# KiCad board amp board.kicad_pcb (continued)
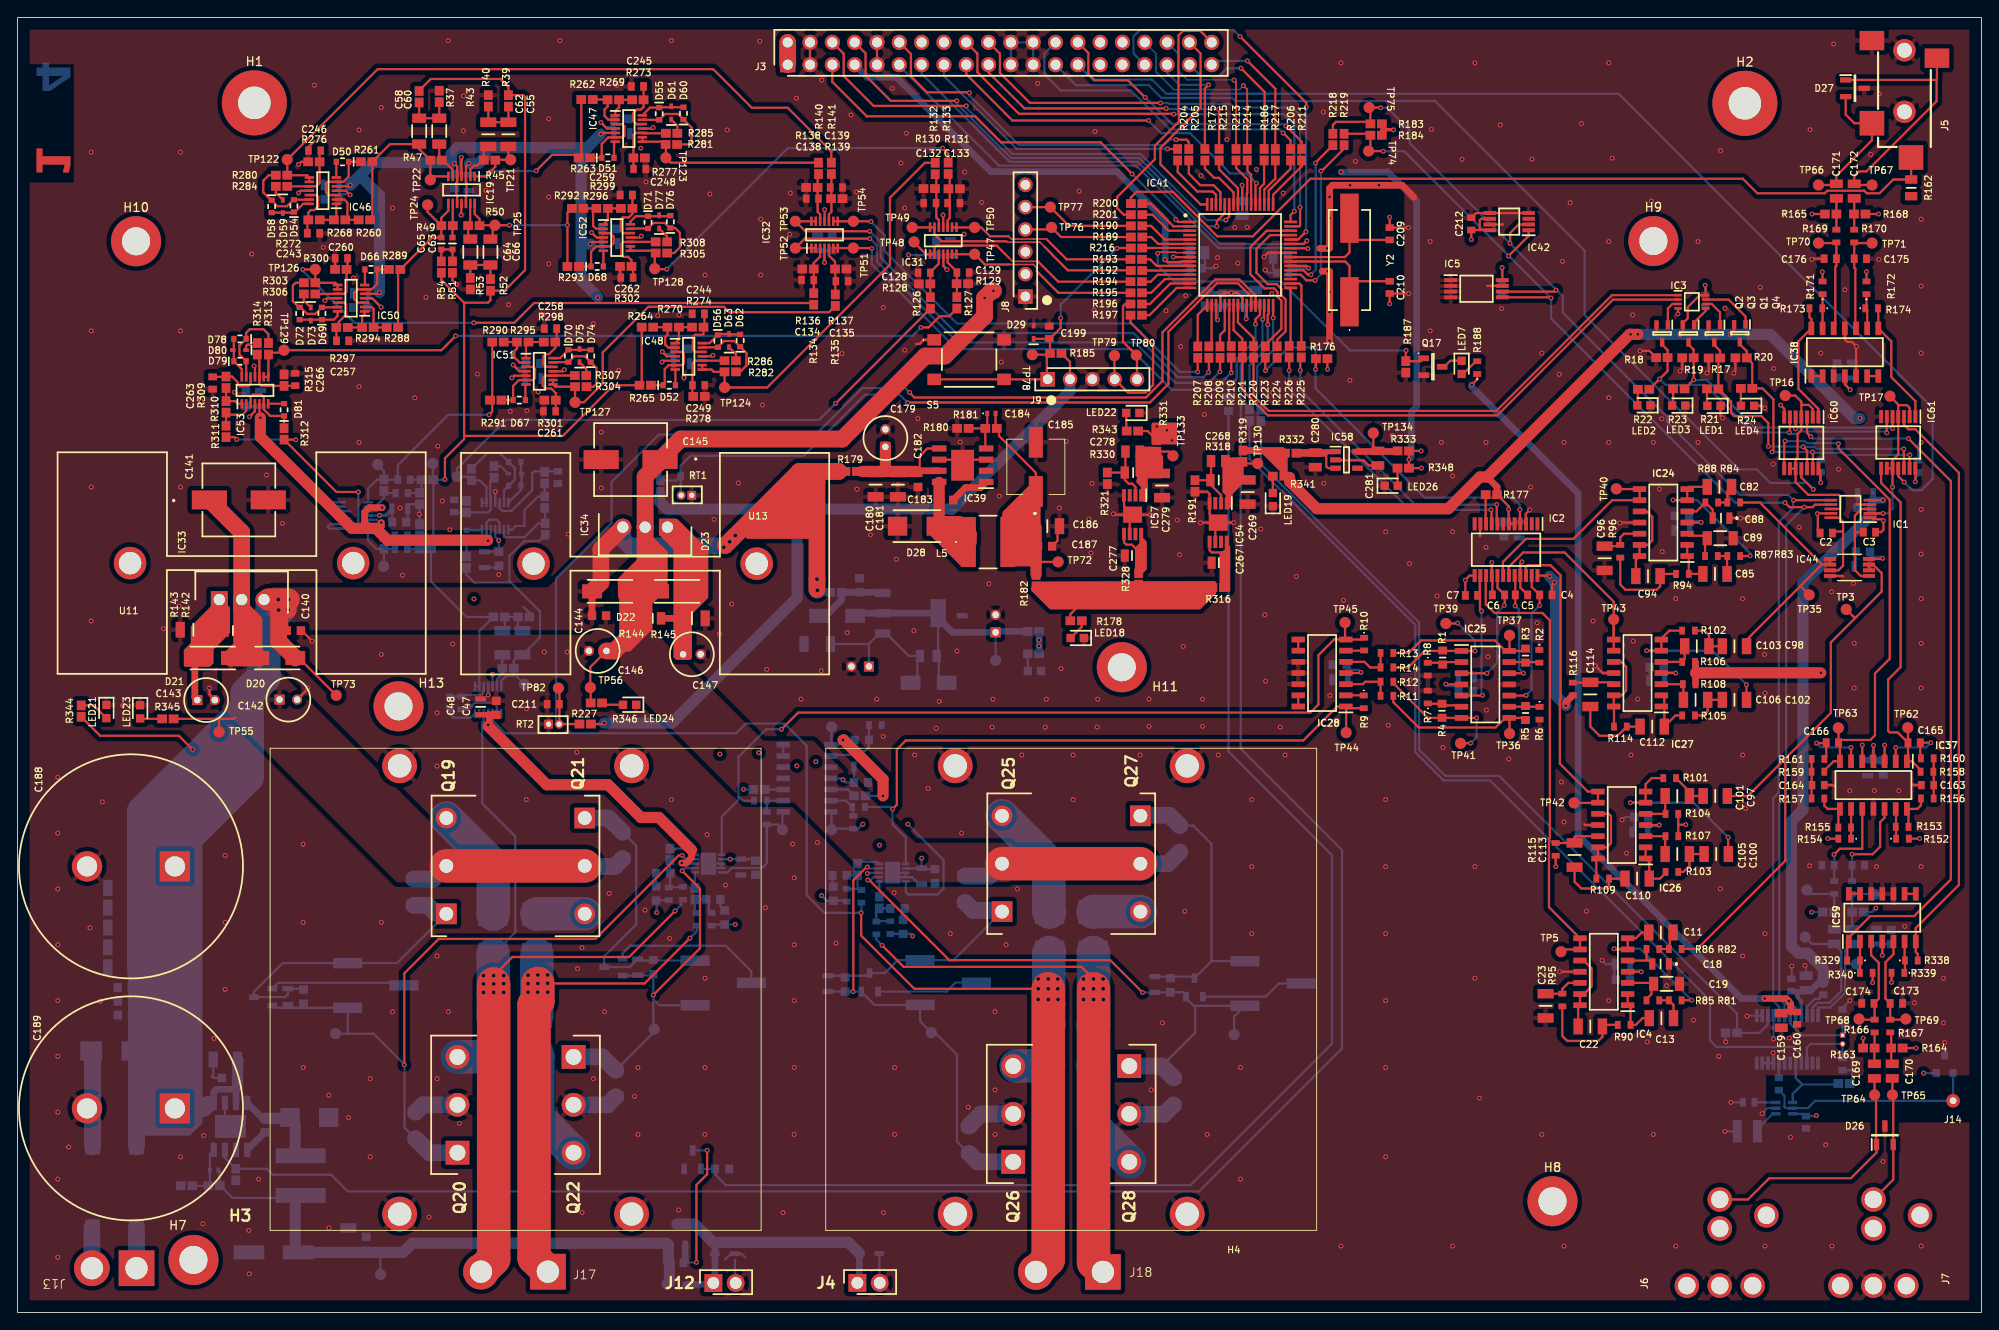
[diagram p0: board, top side]
## Footprints (pads in the part's own frame, mm; a bottom-side part is the same pattern mirrored in y, then rotated) (continued)
C0603
  rect 0.95x1 smd: 1(-0.8,0) 2(0.8,0)
CAPC1608X87N
  rect 0.78x0.98 smd: 1(-0.7,0) 2(0.7,0)
CAPC1608X90N
  rect 0.75x0.94 smd: 1(-0.7,0) 2(0.7,0)
CAPC2012X70N
  rect 0.96x1.39 smd: 1(-0.81,0) 2(0.81,0)
CAPC2012X135N
  rect 0.91x1.39 smd: 1(-0.82,0) 2(0.82,0)
CAPC2012X145N
  rect 0.97x1.47 smd: 1(-0.83,0) 2(0.83,0)
CAPC3216X180N
  rect 1.07x1.82 smd: 1(-1.38,0) 2(1.38,0)
CAPPRD200W55D500H1200
  rect 1.15x1.15 hole 0.75: 1(0,0)
  round 1.15 hole 0.75: 2(2,0)
CAPPRD200W55D500H1250
  rect 1.15x1.15 hole 0.75: 1(0,0)
  round 1.15 hole 0.75: 2(2,0)
CAPPRD1000W210D2550H4200
  rect 3.45x3.45 hole 2.3: 1(0,0)
  round 3.45 hole 2.3: 2(10,0)
D1213A01SO7
  rect 0.8x0.9 smd: 1(-0.95,-1) 2(0.95,-1) 3(0,1)
DIONM5126X230N
  rect 2.25x1.6 smd: 1(-2.05,0) 2(2.05,0)
ERA3AEB101V
  rect 0.65x0.9 smd: 1(-0.725,0) 2(0.725,0)
GCM21
  rect 0.7x1.3 smd: 1(-0.95,0) 2(0.95,0)
GCM155
  rect 0.45x0.6 smd: 1(-0.475,0) 2(0.475,0)
GRM18x
  rect 0.65x0.7 smd: 1(-0.675,0) 2(0.675,0)
GRM21x
  rect 0.6x1.25 smd: 1(-0.9,0) 2(0.9,0)
GRM31x
  rect 1.05x1.6 smd: 1(-1.475,0) 2(1.475,0)
HDRV5W64P0X254_1X5_1270X254X854P
  rect 1.65x1.65 hole 1.1: 1(0,0)
  round 1.65 hole 1.1: 2(2.54,0) 3(5.08,0) 4(7.62,0) 5(10.16,0)
HDRV6W64P0X254_1X6_1524X254X869P
  rect 1.65x1.65 hole 1.1: 1(0,0)
  round 1.65 hole 1.1: 2(2.54,0) 3(5.08,0) 4(7.62,0) 5(10.16,0) 6(12.7,0)
LEDC1608X80N
  rect 0.95x0.95 smd: 1(-0.75,0) 2(0.75,0)
LQW2UAS12NG00L
  rect 1.015x2.54 smd: 1(-1.143,0) 2(1.143,0)
LQW18AS10NG0CD
  rect 0.675x1 smd: 1(-0.662,0) 2(0.662,0)
MA30255E
  round 3.954 hole 2.667: 1(0,0) 2(51,0) 3(51,26.4) 4(0,26.4)
MountingHole_3.2mm_M3_ISO7380_Pad_TopBottom
  round 3.6 hole 3.2: 1(0,0)
  round 5.7 smd: 1(0,0)
  round 5.7 smd far side: 1(0,0)
MountingHole_3.7mm_Pad_TopBottom
  round 4.1 hole 3.7: 1(0,0)
  round 7.4 smd: 1(0,0)
  round 7.4 smd far side: 1(0,0)
NTCALUG02A103F
  rect 1x1 hole 0.605: 1(-0.6,0)
  round 1 hole 0.605: 2(0.6,0)
Phono Jack
  round 2.794 hole 1.981: 1(0,0) 2(0,-3.747) 3(9.804,0) 4(8.001,-5.309) 5(6.502,0) 6(0,3.747)
power wires
  rect 4.064x4.064 hole 2.54: 1(0,0)
  round 4.064 hole 2.54: 2(5.08,0)
power wires#2
  rect 4.064x4.064 hole 2.54: 1(0,0)
  round 4.064 hole 2.54: 2(7.62,0)
QFP50P1200X1200X120-64N
  rect 1.475x0.3 smd: 1(-5.738,3.75) 2(-5.738,3.25) 3(-5.738,2.75) 4(-5.738,2.25) 5(-5.738,1.75) 6(-5.738,1.25) 7(-5.738,0.75) 8(-5.738,0.25) 9(-5.738,-0.25) 10(-5.738,-0.75) 11(-5.738,-1.25) 12(-5.738,-1.75) 13(-5.738,-2.25) 14(-5.738,-2.75) 15(-5.738,-3.25) 16(-5.738,-3.75) 33(5.738,-3.75) 34(5.738,-3.25) 35(5.738,-2.75) 36(5.738,-2.25) 37(5.738,-1.75) 38(5.738,-1.25) 39(5.738,-0.75) 40(5.738,-0.25) 41(5.738,0.25) 42(5.738,0.75) 43(5.738,1.25) 44(5.738,1.75) 45(5.738,2.25) 46(5.738,2.75) 47(5.738,3.25) 48(5.738,3.75)
  rect 0.3x1.475 smd: 17(-3.75,-5.738) 18(-3.25,-5.738) 19(-2.75,-5.738) 20(-2.25,-5.738) 21(-1.75,-5.738) 22(-1.25,-5.738) 23(-0.75,-5.738) 24(-0.25,-5.738) 25(0.25,-5.738) 26(0.75,-5.738) 27(1.25,-5.738) 28(1.75,-5.738) 29(2.25,-5.738) 30(2.75,-5.738) 31(3.25,-5.738) 32(3.75,-5.738) 49(3.75,5.738) 50(3.25,5.738) 51(2.75,5.738) 52(2.25,5.738) 53(1.75,5.738) 54(1.25,5.738) 55(0.75,5.738) 56(0.25,5.738) 57(-0.25,5.738) 58(-0.75,5.738) 59(-1.25,5.738) 60(-1.75,5.738) 61(-2.25,5.738) 62(-2.75,5.738) 63(-3.25,5.738) 64(-3.75,5.738)
R2632768125
  rect 0.584x0.584 hole 0.381: 1(-0.152,0)
  round 0.635 hole 0.381: 2(0.838,0)
RESC1608X55N
  rect 0.9x1 smd: 1(-0.8,0) 2(0.8,0)
RESC1608X55N#2
  rect 1.1x1 smd: 1(-0.65,0) 2(0.65,0)
RESC2012X60N
  rect 0.95x1.4 smd: 1(-0.95,0) 2(0.95,0)
RESC3216X60N
  rect 1.05x1.8 smd: 1(-1.5,0) 2(1.5,0)
RESC3216X70N
  rect 1.15x1.7 smd: 1(-1.5,0) 2(1.5,0)
RESC6432X84N
  rect 2.7x3.35 smd: 1(-2.3,0) 2(2.3,0)
RHDR2W80P0X254_1X2_558X254X850P
  rect 2.025x2.025 hole 1.35: 1(0,0)
  round 2.025 hole 1.35: 2(2.54,0)
RHDR40W97P254X254_2X20_5130X508X860P
  rect 1.725x1.725 hole 1.15: 1(0,0)
  round 1.725 hole 1.15: 2(0,2.54) 3(2.54,0) 4(2.54,2.54) 5(5.08,0) 6(5.08,2.54) 7(7.62,0) 8(7.62,2.54) 9(10.16,0) 10(10.16,2.54) 11(12.7,0) 12(12.7,2.54) 13(15.24,0) 14(15.24,2.54) 15(17.78,0) 16(17.78,2.54) 17(20.32,0) 18(20.32,2.54) 19(22.86,0) 20(22.86,2.54) 21(25.4,0) 22(25.4,2.54) 23(27.94,0) 24(27.94,2.54) 25(30.48,0) 26(30.48,2.54) 27(33.02,0) 28(33.02,2.54) 29(35.56,0) 30(35.56,2.54) 31(38.1,0) 32(38.1,2.54) 33(40.64,0) 34(40.64,2.54) 35(43.18,0) 36(43.18,2.54) 37(45.72,0) 38(45.72,2.54) 39(48.26,0) 40(48.26,2.54)
SJ-3524-SMT-TR
  rect 2.2x2.8 smd: 1(2.4,-6.7) 3(4.4,0.7)
  rect 2.8x2.8 smd: 2(11.8,-6.7) 4(15.7,-2.25)
  round 2.55 hole 1.7: 5(3.5,-3) 6(10.5,-3)
SMBJ36A
  rect 2.5x2.2 smd: 1(-8.95,-2.975) 2(-4.25,-2.975)
SMBJ50CA
  rect 2.2x2.15 smd: 1(-2.2,0) 2(2.2,0)
SOD2513X117N
  rect 1.085x0.55 smd: 1(-1.14,0) 2(1.14,0)
SODFL1608X70N
  rect 0.64x0.42 smd: 1(-0.75,0) 2(0.75,0)
SOIC127P600X175-9N
  rect 1.65x0.7 smd: 1(-2.675,1.905) 2(-2.675,0.635) 3(-2.675,-0.635) 4(-2.675,-1.905) 5(2.675,-1.905) 6(2.675,-0.635) 7(2.675,0.635) 8(2.675,1.905)
  rect 2.6x3.5 smd: 9(0,0)
SOIC127P600X175-14N
  rect 1.525x0.65 smd: 1(-2.712,3.81) 2(-2.712,2.54) 3(-2.712,1.27) 4(-2.712,0) 5(-2.712,-1.27) 6(-2.712,-2.54) 7(-2.712,-3.81) 8(2.712,-3.81) 9(2.712,-2.54) 10(2.712,-1.27) 11(2.712,0) 12(2.712,1.27) 13(2.712,2.54) 14(2.712,3.81)
SON50P300X300X100-11N
  rect 0.85x0.3 smd: 1(-1.5,1) 2(-1.5,0.5) 3(-1.5,0) 4(-1.5,-0.5) 5(-1.5,-1) 6(1.5,-1) 7(1.5,-0.5) 8(1.5,0) 9(1.5,0.5) 10(1.5,1)
  rect 1.75x2.5 smd: 11(0,0)
SOP50P310X90-8N
  rect 0.85x0.3 smd: 1(-1.575,0.75) 2(-1.575,0.25) 3(-1.575,-0.25) 4(-1.575,-0.75) 5(1.575,-0.75) 6(1.575,-0.25) 7(1.575,0.25) 8(1.575,0.75)
SOP50P326X110-14N
  rect 1.075x0.3 smd: 1(-1.538,1.5) 2(-1.538,1) 3(-1.538,0.5) 4(-1.538,0) 5(-1.538,-0.5) 6(-1.538,-1) 7(-1.538,-1.5) 8(1.538,-1.5) 9(1.538,-1) 10(1.538,-0.5) 11(1.538,0) 12(1.538,0.5) 13(1.538,1) 14(1.538,1.5)
SOP50P490X110-10N
  rect 1.45x0.3 smd: 1(-2.225,1) 2(-2.225,0.5) 3(-2.225,0) 4(-2.225,-0.5) 5(-2.225,-1) 6(2.225,-1) 7(2.225,-0.5) 8(2.225,0) 9(2.225,0.5) 10(2.225,1)
SOP64P600X175-24N
  rect 1.5x0.435 smd: 1(-2.7,3.492) 2(-2.7,2.858) 3(-2.7,2.222) 4(-2.7,1.588) 5(-2.7,0.952) 6(-2.7,0.318) 7(-2.7,-0.318) 8(-2.7,-0.952) 9(-2.7,-1.588) 10(-2.7,-2.222) 11(-2.7,-2.858) 12(-2.7,-3.492) 13(2.7,-3.492) 14(2.7,-2.858) 15(2.7,-2.222) 16(2.7,-1.588) 17(2.7,-0.952) 18(2.7,-0.318) 19(2.7,0.318) 20(2.7,0.952) 21(2.7,1.588) 22(2.7,2.222) 23(2.7,2.858) 24(2.7,3.492)
SOP65P490X110-8N
  rect 1.372x0.457 smd: 1(-2.21,0.965) 2(-2.21,0.33) 3(-2.21,-0.33) 4(-2.21,-0.965) 5(2.21,-0.965) 6(2.21,-0.33) 7(2.21,0.33) 8(2.21,0.965)
SOP65P490X110-8N#2
  rect 1.425x0.45 smd: 1(-2.212,0.975) 2(-2.212,0.325) 3(-2.212,-0.325) 4(-2.212,-0.975) 5(2.212,-0.975) 6(2.212,-0.325) 7(2.212,0.325) 8(2.212,0.975)
SOP65P490X110-9N
  rect 1.4x0.45 smd: 1(-2.2,0.975) 2(-2.2,0.325) 3(-2.2,-0.325) 4(-2.2,-0.975) 5(2.2,-0.975) 6(2.2,-0.325) 7(2.2,0.325) 8(2.2,0.975)
  rect 1.846x2.15 smd: 9(0,0)
SOP65P640X120-8N
  rect 1.475x0.45 smd: 1(-2.938,0.975) 2(-2.938,0.325) 3(-2.938,-0.325) 4(-2.938,-0.975) 5(2.938,-0.975) 6(2.938,-0.325) 7(2.938,0.325) 8(2.938,0.975)
SOP65P640X120-14N
  rect 1.475x0.45 smd: 1(-2.938,1.95) 2(-2.938,1.3) 3(-2.938,0.65) 4(-2.938,0) 5(-2.938,-0.65) 6(-2.938,-1.3) 7(-2.938,-1.95) 8(2.938,-1.95) 9(2.938,-1.3) 10(2.938,-0.65) 11(2.938,0) 12(2.938,0.65) 13(2.938,1.3) 14(2.938,1.95)
SOP65P640X120-24N
  rect 1.475x0.45 smd: 1(-2.938,3.575) 2(-2.938,2.925) 3(-2.938,2.275) 4(-2.938,1.625) 5(-2.938,0.975) 6(-2.938,0.325) 7(-2.938,-0.325) 8(-2.938,-0.975) 9(-2.938,-1.625) 10(-2.938,-2.275) 11(-2.938,-2.925) 12(-2.938,-3.575) 13(2.938,-3.575) 14(2.938,-2.925) 15(2.938,-2.275) 16(2.938,-1.625) 17(2.938,-0.975) 18(2.938,-0.325) 19(2.938,0.325) 20(2.938,0.975) 21(2.938,1.625) 22(2.938,2.275) 23(2.938,2.925) 24(2.938,3.575)
SOP500P990X180-4N
  rect 1.7x1.65 smd: 1(-4.55,2.5) 2(-4.55,-2.5) 3(4.55,-2.5) 4(4.55,2.5)
SOT65P210X110-3N
  rect 1x0.5 smd: 1(-1,0.65) 2(-1,-0.65) 3(1,0)
SOT65P210X110-6N
  rect 1.05x0.4 smd: 1(-0.95,0.65) 2(-0.95,0) 3(-0.95,-0.65) 4(0.95,-0.65) 5(0.95,0) 6(0.95,0.65)
SOT95P237X120-3N
  rect 1.3x0.6 smd: 1(-1.05,0.95) 2(-1.05,-0.95) 3(1.05,0)
SOT95P280X145-5N
  rect 1.2x0.6 smd: 1(-1.25,0.95) 2(-1.25,0) 3(-1.25,-0.95) 4(1.25,-0.95) 5(1.25,0.95)
SOT96P237X111-3N
  rect 1x0.6 smd: 1(-1.2,0.955) 2(-1.2,-0.955) 3(1.2,0)
SOT96P240X110-3N
  rect 1.1x0.65 smd: 1(-1.05,0.96) 2(-1.05,-0.96) 3(1.05,0)
SOT96P240X120-3N
  rect 1.2x0.65 smd: 1(-1.05,0.96) 2(-1.05,-0.96) 3(1.05,0)
SOT230P700X180-4N
  rect 1.75x0.95 smd: 1(-3.15,2.3) 2(-3.15,0) 3(-3.15,-2.3)
  rect 1.75x3.2 smd: 4(3.15,0)
TO254P470X1028X1955-3P
  rect 1.935x1.935 hole 1.29: 1(0,0)
  round 1.935 hole 1.29: 2(2.54,0) 3(5.08,0)
TO545P500X1560X2420-3P
  rect 2.355x2.355 hole 1.57: 1(0,0)
  round 2.355 hole 1.57: 2(5.45,0) 3(10.9,0)
TO545P515X1560X2445-3P
  rect 2.715x2.715 hole 1.81: 1(0,0)
  round 2.715 hole 1.81: 2(5.45,0) 3(10.9,0)
TP
  round 1.27 smd: 1(0,0)
UD_8X10_
  rect 4x2.15 smd: 1(-3.35,0) 2(3.35,0)

## Nets
2V5: C2.1 C3.2 C4.2 C5.2 C6.2 C7.2 IC1.1 IC1.9 IC2.13 IC2.16 IC2.21 IC2.24 IC37.3 IC37.5 J3.29 R104.1 R106.1 R107.2 R108.2 R115.1 R116.1 R148.2 R149.2 R152.2 R154.2 R163.2 R164.2 R165.2 R168.2 R171.2 R172.2 R333.2 R339.2 R340.2 R348.2
3V3: C24.2 C150.2 C159.2 C160.2 C200.2 C201.2 C202.2 C203.2 C204.2 C205.2 C206.2 C208.2 C212.2 D24.2 IC5.8 IC35.6 IC36.20 IC41.10 IC41.19 IC41.26 IC41.38 IC42.6 IC42.8 J3.7 J9.2 R176.2 R183.2 R184.2 R185.2 R188.1 R222.2 R227.2 R331.2 R343.2
/Main Board/5V: R162.2
/Main Board/5V_Signal: C17.2 C34.1 C115.2 C116.2 C152.2 C156.2 C158.2 C284.1 C287.1 C288.1 IC1.5 IC2.5 IC2.6 IC3.8 IC36.21 IC60.14 IC61.14 Q1.2 Q2.2 Q3.2 Q4.2 R177.2 R319.2 R332.1 R341.2
/Main Board/8V: R178.2 R182.2 R316.1 R328.1
/Main Board/33V: BR1.2 C121.1 C122.1 C140.1 C144.1 C188.1 C189.1 C190.2 C191.2 C192.2 C193.2 C194.2 C195.1 C196.1 C197.1 D20.1 D22.1 IC30.5 IC30.7 IC33.3 IC34.3 IC40.2 R179.1 R324.1 R344.2 TP73.1
/Main Board/Bandpass Filters/14V Offset: C223.2 C224.2 C233.2 C234.2 IC18.12 IC19.3 IC19.5 IC19.10 IC19.12 IC20.3 IC20.5 IC45.1 IC46.5 IC47.5 IC48.5 IC49.5 IC50.5 IC51.5 IC52.5 IC53.5 R15.2 R16.2 R25.2 R26.2 R55.2 R228.1 R233.2 TP111.1
/Main Board/Fan Drivers/12V: C124.2 C125.1 C126.1 C127.1 D1.2 L2.2 Q5.2 R56.2 R120.2 TP46.1
/Main Board/Output Stage/2V5: IC45.3
/Main Board/Output Stage/VIN L INV: IC45.7 R231.1 TP113.1 U15.5
/Main Board/Output Stage/VIN R INV: IC45.8 R236.1 TP114.1 U14.5
/Main Board/VCC_Power_R: C141.1 C142.1 D20.2 D21.1 IC33.2 Q19.2 Q21.2 R142.1 R234.1 R242.1 R345.2 TP55.1
GND: BR1.1 C17.1 C18.1 C19.2 C20.2 C21.2 C23.1 C24.1 C34.2 C47.2 C48.2 C51.2 C52.2 C53.2 C54.2 C88.1 C89.2 C90.2 C92.2 C96.1 C99.2 C104.2 C107.2 C108.2 C109.2 C111.2 C115.1 C116.1 C117.2 C118.2 C121.2 C122.2 C125.2 C126.2 C127.2 C128.1 C129.1 C130.2 C131.2 C132.1 C133.1 C134.1 C135.1 C136.2 C137.2 C138.1 C139.1 C140.2 C141.2 C142.2 C143.2 C144.2 C145.2 C146.2 C147.2 C150.1 C155.1 C156.1 C157.1 C158.1 C159.1 C160.1 C161.1 C162.1 C163.2 C164.2 C167.2 C168.2 C173.1 C174.1 C175.1 C176.1 C177.2 C178.2 C179.2 C180.2 C181.2 C182.2 C185.2 C186.2 C187.2 C188.2 C189.2 C190.1 C191.1 C192.1 C193.1 C194.1 C195.2 C196.2 C197.2 C198.1 C199.1 C200.1 C201.1 C202.1 C203.1 C204.1 C205.1 C206.1 C207.1 C208.1 C209.2 C210.2 C211.1 C212.1 C213.2 C214.2 C219.2 C220.2 C227.2 C228.2 C235.2 C236.2 C237.2 C238.2 C239.2 C240.2 C241.2 C242.2 C243.1 C244.1 C245.1 C246.2 C247.1 C248.2 C249.2 C250.2 C251.2 C252.2 C253.2 C254.2 C255.2 C256.2 C257.1 C258.1 C259.1 C260.2 C261.2 C262.2 C263.1 C264.2 C265.2 C266.2 C267.2 C269.2 C273.2 C274.2 C275.2 C276.2 C277.2 C279.2 C280.1 C281.1 C282.2 C283.2 C284.2 C285.2 C286.2 C287.2 C288.2 D17.2 D19.1 D24.3 D26.3 D27.3 D28.2 D29.2 D84.1 H3.1 H3.2 H3.3 H3.4 H4.1 H4.2 H4.3 H4.4 IC1.4 IC2.3 IC2.11 IC3.4 IC4.11 IC5.1 IC5.2 IC5.3 IC5.4 IC5.7 IC18.11 IC19.11 IC20.10 IC20.11 IC20.12 IC24.11 IC25.11 IC26.11 IC27.11 IC28.10 IC28.11 IC28.12 IC30.6 IC30.9 IC31.11 IC32.11 IC35.2 IC36.9 IC36.10 IC36.11 IC36.13 IC36.14 IC36.16 IC37.11 IC38.3 IC38.5 IC38.11 IC39.3 IC39.6 IC39.9 IC40.1 IC41.9 IC41.20 IC41.25 IC41.41 IC42.4 IC42.5 IC42.7 IC44.4 IC45.11 IC45.12 IC46.11 IC47.11 IC48.11 IC49.11 IC50.11 IC51.11 IC52.11 IC53.11 IC54.4 IC54.6 IC54.9 IC57.4 IC57.6 IC57.9 IC58.2 IC59.10 IC59.11 IC59.12 IC60.7 IC61.7 J3.3 J3.4 J3.9 J3.10 J3.21 J3.22 J3.23 J3.24 J4.2 J5.1 J5.5 J5.6 J6.1 J7.1 J8.1 J9.3 J12.2 L1.1 L3.2 LED1.1 LED2.1 LED3.1 LED4.1 LED18.1 LED19.1 LED21.1 LED22.1 LED23.1 LED24.1 LED25.1 LED26.1 Q6.2 Q17.2 Q20.2 Q22.2 Q26.2 Q28.2 R2.1 R6.2 R7.2 R8.2 R17.1 R18.1 R19.1 R20.1 R31.1 R35.2 R40.1 R42.1 R43.1 R44.1 R51.1 R53.1 R58.1 R119.1 R128.2 R129.2 R130.2 R131.2 R136.2 R137.2 R138.2 R139.2 R143.2 R145.2 R146.1 R147.2 R180.1 R187.1 R191.1 R235.2 R243.2 R249.2 R255.2 R276.1 R277.1 R278.1 R279.1 R300.1 R301.1 R302.1 R315.1 R321.1 R326.1 R349.1 RT1.1 RT2.1 S5.1 S5.3 U14.3 U14.4 U14.11 U15.3 U15.4 U15.11
VCC Signal: C20.1 C21.1 C47.1 C48.1 C51.1 C52.1 C53.1 C54.1 C90.1 C92.1 C99.1 C104.1 C107.1 C108.1 C109.1 C111.1 C117.1 C118.1 C130.1 C131.1 C136.1 C137.1 C167.1 C168.1 C177.1 C178.1 C213.1 C214.1 C219.1 C220.1 C227.1 C228.1 C235.1 C236.1 C237.1 C238.1 C239.1 C240.1 C241.1 C242.1 C251.1 C252.1 C253.1 C254.1 C255.1 C256.1 C264.1 C265.1 C282.1 C283.1 C285.1 C286.1 IC4.4 IC18.4 IC19.4 IC20.4 IC24.4 IC25.4 IC26.4 IC27.4 IC28.4 IC31.4 IC32.4 IC37.4 IC38.4 IC44.8 IC45.4 IC46.4 IC47.4 IC48.4 IC49.4 IC50.4 IC51.4 IC52.4 IC53.4 IC59.4 J3.31 R327.2 R347.2 U14.2 U14.8 U15.2 U15.8
VCC_Power_L: C145.1 C146.1 D22.2 D23.1 IC34.2 J3.1 J3.2 Q25.2 Q27.2 R144.1 R248.1 R254.1 R346.2 TP56.1
/Main Board/Audio Switching/AUD L: IC1.2 IC61.2 IC61.4 IC61.9 IC61.10 TP17.1
/Main Board/Audio Switching/AUD R: IC1.8 IC60.2 IC60.4 IC60.9 IC60.10 TP16.1
/Main Board/Audio Switching/AUX EN: IC60.13 IC61.13 Q4.3 R20.2 R24.2
/Main Board/Audio Switching/AUX G: IC3.7 Q4.1
/Main Board/Audio Switching/BT EN: IC60.12 IC61.12 Q1.3 R17.2 R21.2
/Main Board/Audio Switching/BT G: IC3.6 Q1.1
/Main Board/Audio Switching/FM EN: IC60.6 IC61.6 Q2.3 R18.2 R22.2
/Main Board/Audio Switching/FM G: IC3.3 Q2.1
/Main Board/Audio Switching/IN SEL A: IC3.1 R220.1
/Main Board/Audio Switching/IN SEL B: IC3.2 R221.1
/Main Board/Audio Switching/TV EN: IC60.5 IC61.5 Q3.3 R19.2 R23.2
/Main Board/Audio Switching/TV G: IC3.5 Q3.1
/Main Board/AUX DET: J5.4 R162.1 R200.1
/Main Board/AUX IN/AUX L In: C175.2 IC38.10 R170.2 TP71.1
/Main Board/AUX IN/AUX R In: C176.2 IC38.12 R169.2 TP70.1
/Main Board/AUX IN/TV L In: C173.2 IC59.5 R167.2 TP69.1
/Main Board/AUX IN/TV R In: C174.2 IC59.3 R166.2 TP68.1
/Main Board/AUX_L: IC38.8 IC61.1 R174.2
/Main Board/AUX_R: IC38.14 IC60.1 R173.2
/Main Board/Bandpass Filters/1kHz BP: C66.2 IC19.14 R50.2 R292.1 R293.1 TP25.1
/Main Board/Bandpass Filters/2.5kHz BP: C65.2 IC19.8 R49.2 R288.1 R289.1 TP24.1
/Main Board/Bandpass Filters/6.25kHz BP: C56.2 IC20.1 R46.2 R290.1 R291.1 TP20.1
/Main Board/Bandpass Filters/16kHz BP: C59.2 IC20.7 R48.2 R311.1 R312.1 TP23.1
/Main Board/Bandpass Filters/63Hz BP: C50.2 IC18.14 R34.2 R266.1 R267.1 TP18.1
/Main Board/Bandpass Filters/160Hz BP: C55.2 IC19.1 R45.2 R262.1 R263.1 TP21.1
/Main Board/Bandpass Filters/400Hz BP: C58.2 IC19.7 R47.2 R260.1 R261.1 TP22.1
/Main Board/Bandpass Filters/AVG OUT: IC18.8 IC18.9 R36.2 R37.1 R38.1 R39.1 R41.2 R52.2 R54.2 R264.1 R265.1 TP19.1
/Main Board/Bandpass Filters/Left Pos: IC18.1 IC18.2 R33.2
/Main Board/Bandpass Filters/Right Pos: IC18.6 IC18.7 R32.2
/Main Board/EQ Stage/EQ nSHDN: IC2.7
/Main Board/EQ Stage/L HI: IC25.8 R5.2 R11.1 TP36.1
/Main Board/EQ Stage/L LO: IC25.7 R4.2 R12.1 TP41.1
/Main Board/EQ Stage/LEFT HPF: IC2.22 IC26.8 IC26.9 TP42.1
/Main Board/EQ Stage/LEFT HPF ATT: C4.1 IC2.23 IC25.10
/Main Board/EQ Stage/LEFT LPF: IC2.15 IC4.8 IC4.9 TP5.1
/Main Board/EQ Stage/LEFT LPF ATT: C7.1 IC2.14 IC25.5
/Main Board/EQ Stage/R HI: IC25.14 R3.2 R13.1 TP37.1
/Main Board/EQ Stage/R LO: IC25.1 R1.1 R14.1 TP39.1
/Main Board/EQ Stage/RIGHT HPF: IC2.19 IC27.8 IC27.9 TP43.1
/Main Board/EQ Stage/RIGHT HPF ATT: C5.1 IC2.20 IC25.12
/Main Board/EQ Stage/RIGHT LPF: IC2.18 IC24.8 IC24.9 TP40.1
/Main Board/EQ Stage/RIGHT LPF ATT: C6.1 IC2.17 IC25.3
/Main Board/EQ Stage/SIG EQ L: C97.1 IC44.6 IC44.7 R82.1 TP3.1
/Main Board/EQ Stage/SIG EQ R: C98.1 IC44.1 IC44.2 R84.1 TP35.1
/Main Board/EQ Stage/SIG L: C3.1 IC1.3 IC44.5
/Main Board/EQ Stage/SIG R: C2.2 IC1.10 IC44.3
/Main Board/FAN PWM: Q6.1 R57.2 R58.2
/Main Board/FAN_EN: IC30.3 IC41.30 R349.2
/Main Board/FM Radio/FM GPO1: IC35.4 IC36.5 R146.2
/Main Board/FM Radio/FM_SW ANT: C1.1 D24.1 IC35.5 J14.1
/Main Board/FM Radio/GPO3: C155.2 IC36.3 Y1.2
/Main Board/FM Radio/RCLK: C157.2 IC36.19 Y1.1
/Main Board/FM_INT: IC36.4 R124.1
/Main Board/FM_L: C165.1 IC37.1 IC61.8 R158.2 TP62.1
/Main Board/FM_nRST: IC36.15 R123.1 R147.1
/Main Board/FM_R: C166.1 IC37.7 IC60.8 R159.2 TP63.1
/Main Board/Low Pass Filtering and Attenuation/1kHz IN: IC31.8 IC31.9 R193.1 TP50.1
/Main Board/Low Pass Filtering and Attenuation/1kHz PK: IC52.8 IC52.9 R133.1 R305.1 TP128.1
/Main Board/Low Pass Filtering and Attenuation/2.5kHz IN: IC32.1 IC32.2 R209.1 TP52.1
/Main Board/Low Pass Filtering and Attenuation/2.5kHz PK: IC50.8 IC50.9 R134.1 R303.1 TP126.1
/Main Board/Low Pass Filtering and Attenuation/6.25kHz IN: IC32.6 IC32.7 R210.1 TP51.1
/Main Board/Low Pass Filtering and Attenuation/6.25kHz PK: IC51.8 IC51.9 R135.1 R304.1 TP127.1
/Main Board/Low Pass Filtering and Attenuation/16kHz IN: IC31.6 IC31.7 R195.1 TP47.1
/Main Board/Low Pass Filtering and Attenuation/16kHz PK: IC53.8 IC53.9 R127.1 R313.1 TP129.1
/Main Board/Low Pass Filtering and Attenuation/63Hz IN: IC31.1 IC31.2 R194.1 TP48.1
/Main Board/Low Pass Filtering and Attenuation/63Hz PK: IC49.8 IC49.9 R126.1 R283.1 TP125.1
/Main Board/Low Pass Filtering and Attenuation/160Hz IN: IC32.13 IC32.14 R208.1 TP53.1
/Main Board/Low Pass Filtering and Attenuation/160Hz PK: IC47.8 IC47.9 R140.1 R281.1 TP123.1
/Main Board/Low Pass Filtering and Attenuation/400Hz IN: IC32.8 IC32.9 R207.1 TP54.1
/Main Board/Low Pass Filtering and Attenuation/400Hz PK: IC46.8 IC46.9 R141.1 R280.1 TP122.1
/Main Board/Low Pass Filtering and Attenuation/AVG IN: IC31.13 IC31.14 R192.1 TP49.1
/Main Board/Low Pass Filtering and Attenuation/AVG PK: IC48.8 IC48.9 R132.1 R282.1 TP124.1
/Main Board/Micro/nMCLR: C199.2 D29.1 J9.1 R185.1 R216.2 S5.2 S5.4 TP78.1
/Main Board/Micro/OUTPUT TEMP: C211.2 IC41.28 R227.1 RT2.2 TP82.1
/Main Board/Micro/PGC: J9.5 R196.1 TP80.1
/Main Board/Micro/PGD: J9.4 R197.1 TP79.1
/Main Board/Micro/REG TEMP: C207.2 IC41.27 R222.1 RT1.2 TP81.1
/Main Board/Micro/RXD: J8.5 R190.1 TP77.1
/Main Board/Micro/TEST: IC41.8 Q17.1 R187.2
/Main Board/Micro/TXD: J8.4 R189.1 TP76.1
/Main Board/Micro/VCAP: C198.2 IC41.56
/Main Board/Output Stage/AUD L: IC28.1 R9.2 R229.1 TP44.1 U15.1
/Main Board/Output Stage/AUD R: IC28.7 R10.1 R237.1 TP45.1 U14.1
/Main Board/Output Stage/Neg L: C229.2 C230.2 Q28.1 Q29.2 R255.1 TP121.1 U15.7 VR6.1
/Main Board/Output Stage/Neg R: C217.2 C218.2 Q22.1 Q23.2 R243.1 TP117.1 U14.7 VR4.1
/Main Board/Output Stage/Pos L: C225.2 C226.2 Q24.2 Q26.1 R249.1 TP118.1 U15.9 VR5.1
/Main Board/Output Stage/Pos R: C215.2 C216.2 Q18.2 Q20.1 R235.1 TP112.1 U14.9 VR3.1
/Main Board/SCL: IC1.6 IC5.6 IC36.17 IC42.2 R183.1 R218.2 TP75.1
/Main Board/SDA: IC1.7 IC5.5 IC36.18 IC42.1 R184.1 R219.2 TP74.1
/Main Board/SPI1_CS_EQ: IC2.4 R176.1 R223.2
/Main Board/SPI1_MISO: R224.2
/Main Board/SPI1_MOSI: IC2.8 R225.2
/Main Board/SPI1_SCLK: IC2.9 R226.2
/Main Board/TV_L: IC59.7 IC61.3 R338.2
/Main Board/TV_R: IC59.1 IC60.3 R329.2
/Main Board/Von_L: J18.1 R30.1 R252.2 R253.1
/Main Board/Von_R: J17.1 R27.1 R240.2 R241.1
/Main Board/Vop_L: IC18.3 J18.2 R29.2 R250.2 R251.1
/Main Board/Vop_R: IC18.5 J17.2 R28.2 R238.2 R239.1
BAR: J3.26 R206.2
BAR_SCLK: J3.28 R211.2
BLANK: J3.15 R204.2
BT_L: IC61.11 J3.27
BT_R: IC60.11 J3.25
DISPLAY_BLANK: IC41.43 J3.13
DISPLAY_LAT: IC41.42 J3.11
FWD: J3.30
IR_IN: IC41.53 J3.17
LATCH: J3.12 R205.2
MFB: J3.40 R201.1
nDISPLAY: IC41.59 J3.6
nMULTI1: IC41.64 J3.38
nMULTI2: IC41.1 J3.5
nSOURCE: IC41.60 J3.8
PLAY_PAUSE: J3.19 R215.2
REV: J3.32
TUNE_A: IC41.48 J3.18
TUNE_B: IC41.47 J3.20
UART_RXD: J3.39 R217.2
UART_TXD: J3.37 R186.2
VOL+: J3.34 R214.2
VOL-: J3.36 R213.2
VOL_A: IC41.44 J3.33
VOL_B: J3.35 R175.2
Net-(BR1-~{_1}): BR1.3 J13.1
Net-(BR1-~{_2}): BR1.4 J13.2
Net-(C11-Pad1): C11.1 R82.2 R86.1
Net-(C13-Pad2): C13.2 R81.2 R85.1
Net-(C22-Pad1): C22.1 R90.2 R95.1
Net-(C49-Pad2): C49.2 C50.1 R35.1 R36.1
Net-(C55-Pad1): C55.1 C62.2 R39.2 R40.2
Net-(C56-Pad1): C56.1 C57.1 R41.1 R42.2
Net-(C58-Pad1): C58.1 C60.1 R37.2 R43.2
Net-(C59-Pad1): C59.1 C61.1 R38.2 R44.2
Net-(C63-Pad2): C63.2 C65.1 R51.2 R54.1
Net-(C64-Pad2): C64.2 C66.1 R52.1 R53.2
Net-(C82-Pad1): C82.1 R84.2 R88.1
Net-(C85-Pad2): C85.2 R83.2 R87.1
Net-(C94-Pad1): C94.1 R94.2 R96.1
Net-(C100-Pad2): C100.2 C105.1 R103.1
Net-(C101-Pad1): C97.2 C101.1 R101.1
Net-(C102-Pad2): C102.2 C106.1 R105.1
Net-(C103-Pad1): C98.2 C103.1 R102.1
Net-(C110-Pad2): C110.2 C113.1 R109.2
Net-(C112-Pad2): C112.2 C114.1 R114.2
Net-(C143-+): C143.1 D21.2 IC33.1 R142.2 R143.1
Net-(C147-+): C147.1 D23.2 IC34.1 R144.2 R145.1
Net-(C153-Pad1): C153.1 R148.1 R150.1 TP60.1
Net-(C154-Pad1): C154.1 R149.1 R151.1 TP61.1
Net-(C163-Pad1): C163.1 R156.2 R158.1 R160.1
Net-(C164-Pad1): C164.1 R157.2 R159.1 R161.1
Net-(C169-Pad1): C169.1 R163.1 R166.1
Net-(C170-Pad1): C170.1 R164.1 R167.1
Net-(C171-Pad1): C171.1 R165.1 R169.1
Net-(C172-Pad1): C172.1 R168.1 R170.1
Net-(C179-+): C179.1 C180.1 C181.1 C182.1 IC39.5 IC39.7 R179.2
Net-(C185-+): C184.2 C185.1 C186.1 C187.1 L5.2 R181.2 R182.1 TP72.1
Net-(C221-Pad1): C221.1 R15.1 R28.1 R335.2
Net-(C221-Pad2): C221.2 C223.1
Net-(C222-Pad1): C222.1 R16.1 R27.2 R334.1
Net-(C222-Pad2): C222.2 C224.1
Net-(C231-Pad1): C231.1 R26.1 R29.1 R337.2
Net-(C231-Pad2): C231.2 C233.1
Net-(C232-Pad1): C232.1 R25.1 R30.2 R336.1
Net-(C232-Pad2): C232.2 C234.1
Net-(C274-+): C274.1 D83.2 IC56.1 R325.2 R326.2
Net-(C275-+): C275.1 C276.1 D82.2 D83.1 IC56.2 IC56.4 R325.1 R327.1 TP132.1
Net-(D1-A): D1.1 D19.2 D84.2 J4.1 J12.1 Q5.3
Net-(D17-K): C123.1 D17.1 IC30.8 L2.1
Net-(D28-K): C183.1 D28.1 IC39.8 L5.1
Net-(D50-A): D50.2 IC46.7
Net-(D50-K): D50.1 IC46.3 IC46.6 R261.2
Net-(D51-A): D51.2 IC47.7
Net-(D51-K): D51.1 IC47.3 IC47.6 R263.2
Net-(D52-A): D52.2 IC48.7
Net-(D52-K): D52.1 IC48.3 IC48.6 R265.2
Net-(D53-A): D53.2 IC49.7
Net-(D53-K): D53.1 IC49.3 IC49.6 R267.2
Net-(D54-A): D54.2 D58.1 IC46.13 R280.2
Net-(D54-K): D54.1 D58.2 D59.2 IC46.14
Net-(D55-A): D55.2 D60.1 IC47.13 R281.2
Net-(D55-K): D55.1 D60.2 D61.2 IC47.14
Net-(D56-A): D56.2 D62.1 IC48.13 R282.2
Net-(D56-K): D56.1 D62.2 D63.2 IC48.14
Net-(D57-A): D57.2 D64.1 IC49.13 R283.2
Net-(D57-K): D57.1 D64.2 D65.2 IC49.14
Net-(D59-K): D59.1 R284.1
Net-(D61-K): D61.1 R285.1
Net-(D63-K): D63.1 R286.1
Net-(D65-K): D65.1 R287.1
Net-(D66-A): D66.2 IC50.7
Net-(D66-K): D66.1 IC50.3 IC50.6 R289.2
Net-(D67-A): D67.2 IC51.7
Net-(D67-K): D67.1 IC51.3 IC51.6 R291.2
Net-(D68-A): D68.2 IC52.7
Net-(D68-K): D68.1 IC52.3 IC52.6 R293.2
Net-(D69-A): D69.2 D72.1 IC50.13 R303.2
Net-(D69-K): D69.1 D72.2 D73.2 IC50.14
Net-(D70-A): D70.2 D74.1 IC51.13 R304.2
Net-(D70-K): D70.1 D74.2 D75.2 IC51.14
Net-(D71-A): D71.2 D76.1 IC52.13 R305.2
Net-(D71-K): D71.1 D76.2 D77.2 IC52.14
Net-(D73-K): D73.1 R306.1
Net-(D75-K): D75.1 R307.1
Net-(D77-K): D77.1 R308.1
Net-(D78-A): D78.2 D79.1 D80.2 IC53.14
Net-(D78-K): D78.1 D79.2 IC53.13 R313.2
Net-(D80-K): D80.1 R314.1
Net-(D81-A): D81.2 IC53.7
Net-(D81-K): D81.1 IC53.3 IC53.6 R312.2
Net-(D82-K): C273.1 D82.1 IC56.3 R324.2
Net-(IC2-SDO): IC2.10 R177.1
Net-(IC4-+_IN_B): C18.2 IC4.5 R86.2
Net-(IC4-+_IN_C): C22.2 IC4.10 IC4.13 IC4.14
Net-(IC4-+IN_A): C19.1 IC4.3 R85.2
Net-(IC4-+IN_D): C23.2 IC4.12 R95.2
Net-(IC4--IN_A): C13.1 IC4.1 IC4.2 R90.1
Net-(IC4--IN_B): C11.2 IC4.6 IC4.7 R81.1
Net-(IC18-3IN+): IC18.10 R32.1 R33.1
Net-(IC18-4IN-): C49.1 IC18.13 R34.1
Net-(IC19-1IN-): C62.1 IC19.2 R45.1
Net-(IC19-2IN-): C60.2 IC19.6 R47.1
Net-(IC19-3IN-): C63.1 IC19.9 R49.1
Net-(IC19-4IN-): C64.1 IC19.13 R50.1
Net-(IC20-1IN-): C57.2 IC20.2 R46.1
Net-(IC20-2IN-): C61.2 IC20.6 R48.1
Net-(IC20-3IN-): IC20.8 IC20.9
Net-(IC20-4IN-): IC20.13 IC20.14
Net-(IC24-+_IN_B): C88.2 IC24.5 R88.2
Net-(IC24-+_IN_C): C94.2 IC24.10 IC24.13 IC24.14
Net-(IC24-+IN_A): C89.1 IC24.3 R87.2
Net-(IC24-+IN_D): C96.2 IC24.12 R96.2
Net-(IC24--IN_A): C85.1 IC24.1 IC24.2 R94.1
Net-(IC24--IN_B): C82.2 IC24.6 IC24.7 R83.1
Net-(IC25--IN_A): IC25.2 R1.2 R8.1
Net-(IC25--IN_B): IC25.6 R4.1 R7.1
Net-(IC25--IN_C): IC25.9 R5.1 R6.1
Net-(IC25--IN_D): IC25.13 R2.2 R3.1
Net-(IC26-+_IN_B): C101.2 IC26.5 R104.2
Net-(IC26-+_IN_C): IC26.10 IC26.13 IC26.14 R109.1
Net-(IC26-+IN_A): C105.2 IC26.3 R107.1
Net-(IC26-+IN_D): C113.2 IC26.12 R115.2
Net-(IC26--IN_A): C110.1 IC26.1 IC26.2 R103.2
Net-(IC26--IN_B): C100.1 IC26.6 IC26.7 R101.2
Net-(IC27-+_IN_B): C103.2 IC27.5 R106.2
Net-(IC27-+_IN_C): IC27.10 IC27.13 IC27.14 R114.1
Net-(IC27-+IN_A): C106.2 IC27.3 R108.1
Net-(IC27-+IN_D): C114.2 IC27.12 R116.2
Net-(IC27--IN_A): C112.1 IC27.1 IC27.2 R105.2
Net-(IC27--IN_B): C102.1 IC27.6 IC27.7 R102.2
Net-(IC28-+_IN_B): IC28.5 R13.2 R14.2
Net-(IC28-+IN_A): IC28.3 R11.2 R12.2
Net-(IC28--IN_A): IC28.2 R9.1
Net-(IC28--IN_B): IC28.6 R10.2
Net-(IC28--IN_C): IC28.8 IC28.9
Net-(IC28--IN_D): IC28.13 IC28.14
Net-(IC30-BOOT): C123.2 IC30.1
Net-(IC30-FB): C124.1 IC30.4 R119.2 R120.1
Net-(IC31-1IN+): C128.2 IC31.3 R126.2 R128.1
Net-(IC31-2IN+): C129.2 IC31.5 R127.2 R129.1
Net-(IC31-3IN+): C133.2 IC31.10 R131.1 R133.2
Net-(IC31-4IN+): C132.2 IC31.12 R130.1 R132.2
Net-(IC32-1IN+): C134.2 IC32.3 R134.2 R136.1
Net-(IC32-2IN+): C135.2 IC32.5 R135.2 R137.1
Net-(IC32-3IN+): C139.2 IC32.10 R139.1 R141.2
Net-(IC32-4IN+): C138.2 IC32.12 R138.1 R140.2
Net-(IC35-RF1): IC35.1 L3.1
Net-(IC35-RF2): IC35.3 L1.2
Net-(IC36-DBYP): C152.1 IC36.22
Net-(IC36-FMI): C1.2 IC36.8
Net-(IC36-LOUT/[DFS]): C153.2 IC36.24 TP58.1
Net-(IC36-ROUT/[DOUT]): C154.2 IC36.23 TP59.1
Net-(IC37-+_IN_C): C161.2 IC37.10 R151.2
Net-(IC37-+IN_D): C162.2 IC37.12 R150.2
Net-(IC37--IN_A): C165.2 IC37.2 R160.2
Net-(IC37--IN_B): C166.2 IC37.6 R161.2
Net-(IC37--IN_C): IC37.9 R154.1 R155.1
Net-(IC37--IN_D): IC37.13 R152.1 R153.1
Net-(IC37-OUT_C): IC37.8 R155.2 R157.1
Net-(IC37-OUT_D): IC37.14 R153.2 R156.1
Net-(IC38--IN_A): IC38.1 IC38.2
Net-(IC38--IN_B): IC38.6 IC38.7
Net-(IC38--IN_C): IC38.9 R172.1 R174.1
Net-(IC38--IN_D): IC38.13 R171.1 R173.1
Net-(IC39-BOOT): C183.2 IC39.1
Net-(IC39-FB): C184.1 IC39.4 R180.2 R181.1
Net-(IC41-AN16/RA0): IC41.57 R215.1
Net-(IC41-COM1/RE2): IC41.62 R204.1
Net-(IC41-COM2/RE1): IC41.61 R205.1
Net-(IC41-COM6/SEG30/AN9/RP9/RB9): IC41.22 R210.2
Net-(IC41-COM7/SEG31/AN8/RP8/RB8): IC41.21 R209.2
Net-(IC41-LCDBIAS0/RE7): IC41.3 R201.2
Net-(IC41-LCDBIAS1/RE6): IC41.2 R200.2
Net-(IC41-OSCI/CLKI/RC12): C210.1 IC41.39 Y2.1
Net-(IC41-OSCO/CLKO/RC15): C209.1 IC41.40 Y2.2
Net-(IC41-PGC1/SEG6/CVREF-/AN1/AN1-/RP1/RB1): IC41.15 R196.2
Net-(IC41-PGC2/LCDBIAS3/AN6/RP6/RB6): IC41.17 R207.2
Net-(IC41-PGC3/SEG2/AN5/C1INA/RP18/ASCL1/OCM1A/RB5): IC41.11 R193.2
Net-(IC41-PGD1/SEG7/VREF+/CVREF+/AN0/RP0/RB0): IC41.16 R197.2
Net-(IC41-PGD2/AN7/RP7/T1CK/RB7): IC41.18 R208.2
Net-(IC41-PGD3/SEG3/AN4/C1INB/RP28/ASDA1/OCM1B/RB4): IC41.12 R192.2
Net-(IC41-SEG4/AN3/C2INA/RB3): IC41.13 R194.2